# Altium PCB openservo_tessellated.PcbDoc (part 2 of 13)
Units mm, origin at the board's own origin, x right, y up, seen from the top; angles counter-clockwise.
Board outline 225 x 202.5 mm, 2 copper layers (Top Layer, Bottom Layer); 1250 components, 19 nets, 5300 pads, 1100 vias.
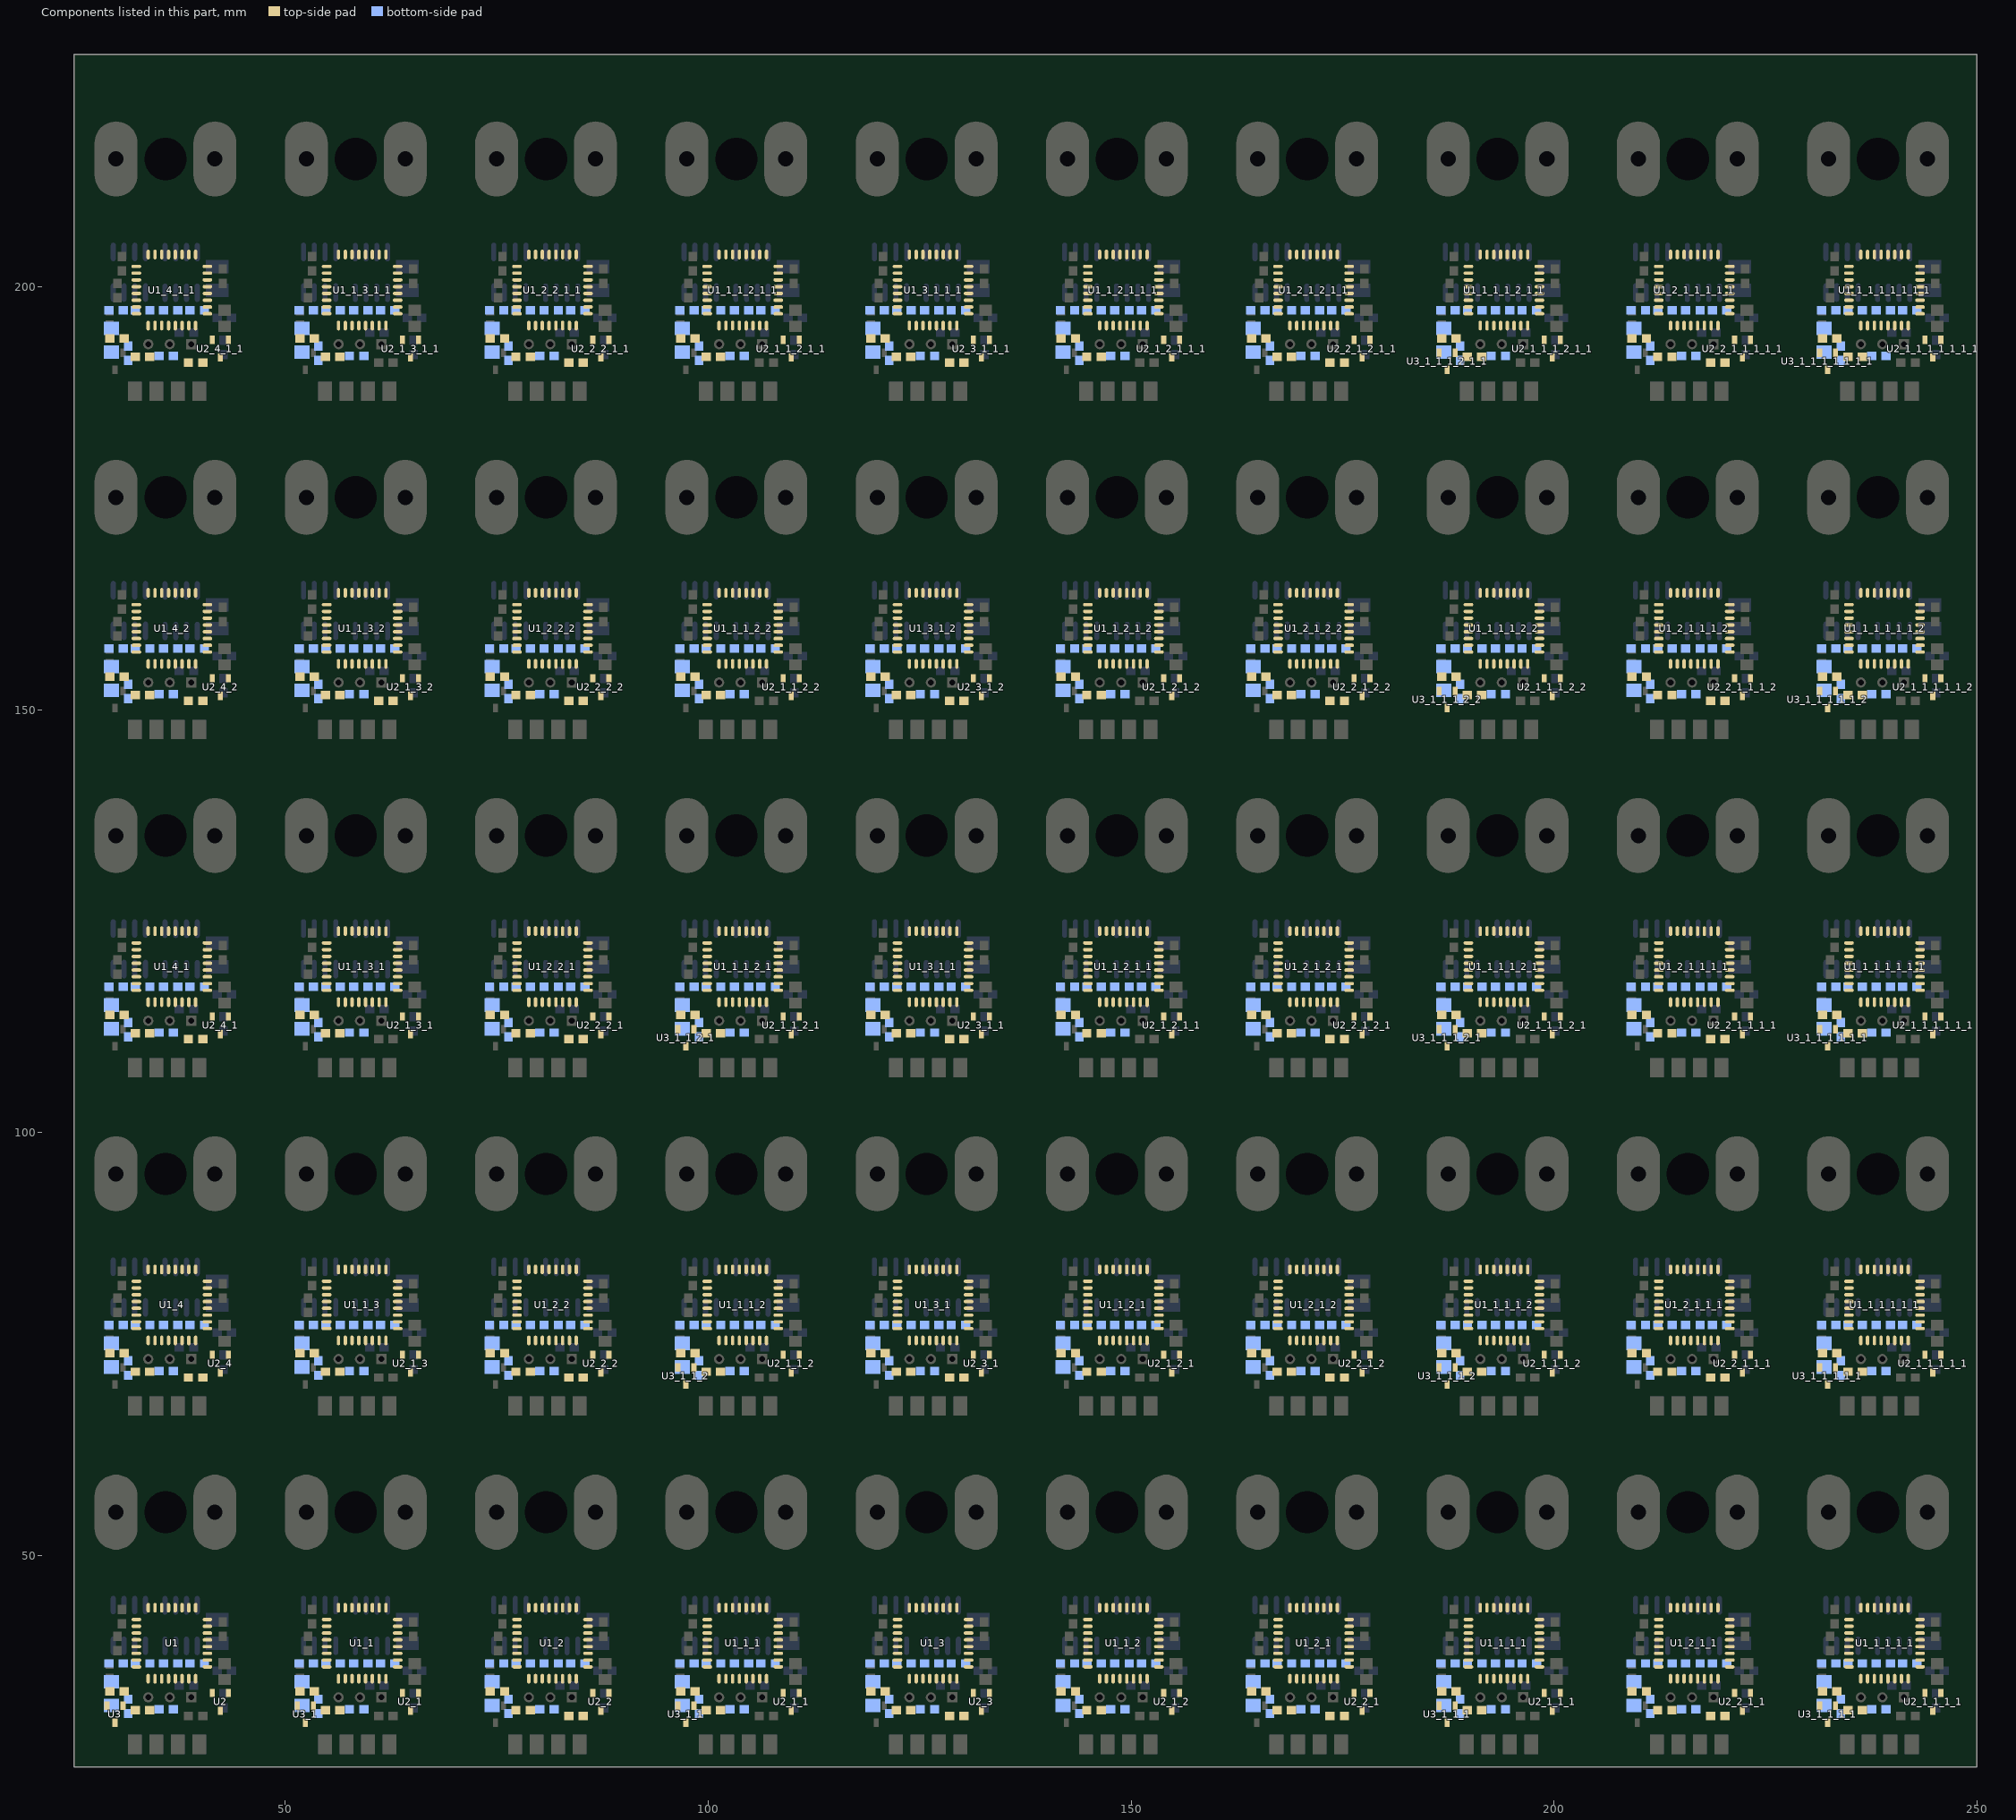
[diagram p2: the components of this part, seen from the top]

## Components (designator, comment, footprint, x,y, rotation, side; value= is the part's Value field where it differs from the comment) (continued)
R2_1_3_2 "Res Semi" 1608[0603] 61.87,151.039 r180 top (schematic designator R2)
R2_2 "Res Semi" 1608[0603] 84.37,31.039 r180 top (schematic designator R2)
R2_2_1 "Res Semi" 1608[0603] 174.37,31.039 r180 top (schematic designator R2)
R2_2_1_1 "Res Semi" 1608[0603] 219.37,31.039 r180 top (schematic designator R2)
R2_2_1_1_1 "Res Semi" 1608[0603] 219.37,71.039 r180 top (schematic designator R2)
R2_2_1_1_1_1 "Res Semi" 1608[0603] 219.37,111.039 r180 top (schematic designator R2)
R2_2_1_1_1_1_1 "Res Semi" 1608[0603] 219.37,191.039 r180 top (schematic designator R2)
R2_2_1_1_1_2 "Res Semi" 1608[0603] 219.37,151.039 r180 top (schematic designator R2)
R2_2_1_2 "Res Semi" 1608[0603] 174.37,71.039 r180 top (schematic designator R2)
R2_2_1_2_1 "Res Semi" 1608[0603] 174.37,111.039 r180 top (schematic designator R2)
R2_2_1_2_1_1 "Res Semi" 1608[0603] 174.37,191.039 r180 top (schematic designator R2)
R2_2_1_2_2 "Res Semi" 1608[0603] 174.37,151.039 r180 top (schematic designator R2)
R2_2_2 "Res Semi" 1608[0603] 84.37,71.039 r180 top (schematic designator R2)
R2_2_2_1 "Res Semi" 1608[0603] 84.37,111.039 r180 top (schematic designator R2)
R2_2_2_1_1 "Res Semi" 1608[0603] 84.37,191.039 r180 top (schematic designator R2)
R2_2_2_2 "Res Semi" 1608[0603] 84.37,151.039 r180 top (schematic designator R2)
R2_3 "Res Semi" 1608[0603] 129.37,31.039 r180 top (schematic designator R2)
R2_3_1 "Res Semi" 1608[0603] 129.37,71.039 r180 top (schematic designator R2)
R2_3_1_1 "Res Semi" 1608[0603] 129.37,111.039 r180 top (schematic designator R2)
R2_3_1_1_1 "Res Semi" 1608[0603] 129.37,191.039 r180 top (schematic designator R2)
R2_3_1_2 "Res Semi" 1608[0603] 129.37,151.039 r180 top (schematic designator R2)
R2_4 "Res Semi" 1608[0603] 39.37,71.039 r180 top (schematic designator R2)
R2_4_1 "Res Semi" 1608[0603] 39.37,111.039 r180 top (schematic designator R2)
R2_4_1_1 "Res Semi" 1608[0603] 39.37,191.039 r180 top (schematic designator R2)
R2_4_2 "Res Semi" 1608[0603] 39.37,151.039 r180 top (schematic designator R2)
R3 "Res Semi" 1608[0603] 31.394,32.156 r270 bottom
R3_1 "Res Semi" 1608[0603] 53.894,32.156 r270 bottom (schematic designator R3)
R3_1_1 "Res Semi" 1608[0603] 98.894,32.156 r270 bottom (schematic designator R3)
R3_1_1_1 "Res Semi" 1608[0603] 188.894,32.156 r270 bottom (schematic designator R3)
R3_1_1_1_1 "Res Semi" 1608[0603] 233.894,32.156 r270 bottom (schematic designator R3)
R3_1_1_1_1_1 "Res Semi" 1608[0603] 233.894,72.156 r270 bottom (schematic designator R3)
R3_1_1_1_1_1_1 "Res Semi" 1608[0603] 233.894,112.156 r270 bottom (schematic designator R3)
R3_1_1_1_1_1_1_1 "Res Semi" 1608[0603] 233.894,192.156 r270 bottom (schematic designator R3)
R3_1_1_1_1_1_2 "Res Semi" 1608[0603] 233.894,152.156 r270 bottom (schematic designator R3)
R3_1_1_1_2 "Res Semi" 1608[0603] 188.894,72.156 r270 bottom (schematic designator R3)
R3_1_1_1_2_1 "Res Semi" 1608[0603] 188.894,112.156 r270 bottom (schematic designator R3)
R3_1_1_1_2_1_1 "Res Semi" 1608[0603] 188.894,192.156 r270 bottom (schematic designator R3)
R3_1_1_1_2_2 "Res Semi" 1608[0603] 188.894,152.156 r270 bottom (schematic designator R3)
R3_1_1_2 "Res Semi" 1608[0603] 98.894,72.156 r270 bottom (schematic designator R3)
R3_1_1_2_1 "Res Semi" 1608[0603] 98.894,112.156 r270 bottom (schematic designator R3)
R3_1_1_2_1_1 "Res Semi" 1608[0603] 98.894,192.156 r270 bottom (schematic designator R3)
R3_1_1_2_2 "Res Semi" 1608[0603] 98.894,152.156 r270 bottom (schematic designator R3)
R3_1_2 "Res Semi" 1608[0603] 143.894,32.156 r270 bottom (schematic designator R3)
R3_1_2_1 "Res Semi" 1608[0603] 143.894,72.156 r270 bottom (schematic designator R3)
R3_1_2_1_1 "Res Semi" 1608[0603] 143.894,112.156 r270 bottom (schematic designator R3)
R3_1_2_1_1_1 "Res Semi" 1608[0603] 143.894,192.156 r270 bottom (schematic designator R3)
R3_1_2_1_2 "Res Semi" 1608[0603] 143.894,152.156 r270 bottom (schematic designator R3)
R3_1_3 "Res Semi" 1608[0603] 53.894,72.156 r270 bottom (schematic designator R3)
R3_1_3_1 "Res Semi" 1608[0603] 53.894,112.156 r270 bottom (schematic designator R3)
R3_1_3_1_1 "Res Semi" 1608[0603] 53.894,192.156 r270 bottom (schematic designator R3)
R3_1_3_2 "Res Semi" 1608[0603] 53.894,152.156 r270 bottom (schematic designator R3)
R3_2 "Res Semi" 1608[0603] 76.394,32.156 r270 bottom (schematic designator R3)
R3_2_1 "Res Semi" 1608[0603] 166.394,32.156 r270 bottom (schematic designator R3)
R3_2_1_1 "Res Semi" 1608[0603] 211.394,32.156 r270 bottom (schematic designator R3)
R3_2_1_1_1 "Res Semi" 1608[0603] 211.394,72.156 r270 bottom (schematic designator R3)
R3_2_1_1_1_1 "Res Semi" 1608[0603] 211.394,112.156 r270 bottom (schematic designator R3)
R3_2_1_1_1_1_1 "Res Semi" 1608[0603] 211.394,192.156 r270 bottom (schematic designator R3)
R3_2_1_1_1_2 "Res Semi" 1608[0603] 211.394,152.156 r270 bottom (schematic designator R3)
R3_2_1_2 "Res Semi" 1608[0603] 166.394,72.156 r270 bottom (schematic designator R3)
R3_2_1_2_1 "Res Semi" 1608[0603] 166.394,112.156 r270 bottom (schematic designator R3)
R3_2_1_2_1_1 "Res Semi" 1608[0603] 166.394,192.156 r270 bottom (schematic designator R3)
R3_2_1_2_2 "Res Semi" 1608[0603] 166.394,152.156 r270 bottom (schematic designator R3)
R3_2_2 "Res Semi" 1608[0603] 76.394,72.156 r270 bottom (schematic designator R3)
R3_2_2_1 "Res Semi" 1608[0603] 76.394,112.156 r270 bottom (schematic designator R3)
R3_2_2_1_1 "Res Semi" 1608[0603] 76.394,192.156 r270 bottom (schematic designator R3)
R3_2_2_2 "Res Semi" 1608[0603] 76.394,152.156 r270 bottom (schematic designator R3)
R3_3 "Res Semi" 1608[0603] 121.394,32.156 r270 bottom (schematic designator R3)
R3_3_1 "Res Semi" 1608[0603] 121.394,72.156 r270 bottom (schematic designator R3)
R3_3_1_1 "Res Semi" 1608[0603] 121.394,112.156 r270 bottom (schematic designator R3)
R3_3_1_1_1 "Res Semi" 1608[0603] 121.394,192.156 r270 bottom (schematic designator R3)
R3_3_1_2 "Res Semi" 1608[0603] 121.394,152.156 r270 bottom (schematic designator R3)
R3_4 "Res Semi" 1608[0603] 31.394,72.156 r270 bottom (schematic designator R3)
R3_4_1 "Res Semi" 1608[0603] 31.394,112.156 r270 bottom (schematic designator R3)
R3_4_1_1 "Res Semi" 1608[0603] 31.394,192.156 r270 bottom (schematic designator R3)
R3_4_2 "Res Semi" 1608[0603] 31.394,152.156 r270 bottom (schematic designator R3)
R4 "Res Semi" 1608[0603] 35.916,31.826 r180 bottom
R4_1 "Res Semi" 1608[0603] 58.416,31.826 r180 bottom (schematic designator R4)
R4_1_1 "Res Semi" 1608[0603] 103.416,31.826 r180 bottom (schematic designator R4)
R4_1_1_1 "Res Semi" 1608[0603] 193.416,31.826 r180 bottom (schematic designator R4)
R4_1_1_1_1 "Res Semi" 1608[0603] 238.416,31.826 r180 bottom (schematic designator R4)
R4_1_1_1_1_1 "Res Semi" 1608[0603] 238.416,71.826 r180 bottom (schematic designator R4)
R4_1_1_1_1_1_1 "Res Semi" 1608[0603] 238.416,111.826 r180 bottom (schematic designator R4)
R4_1_1_1_1_1_1_1 "Res Semi" 1608[0603] 238.416,191.826 r180 bottom (schematic designator R4)
R4_1_1_1_1_1_2 "Res Semi" 1608[0603] 238.416,151.826 r180 bottom (schematic designator R4)
R4_1_1_1_2 "Res Semi" 1608[0603] 193.416,71.826 r180 bottom (schematic designator R4)
R4_1_1_1_2_1 "Res Semi" 1608[0603] 193.416,111.826 r180 bottom (schematic designator R4)
R4_1_1_1_2_1_1 "Res Semi" 1608[0603] 193.416,191.826 r180 bottom (schematic designator R4)
R4_1_1_1_2_2 "Res Semi" 1608[0603] 193.416,151.826 r180 bottom (schematic designator R4)
R4_1_1_2 "Res Semi" 1608[0603] 103.416,71.826 r180 bottom (schematic designator R4)
R4_1_1_2_1 "Res Semi" 1608[0603] 103.416,111.826 r180 bottom (schematic designator R4)
R4_1_1_2_1_1 "Res Semi" 1608[0603] 103.416,191.826 r180 bottom (schematic designator R4)
R4_1_1_2_2 "Res Semi" 1608[0603] 103.416,151.826 r180 bottom (schematic designator R4)
R4_1_2 "Res Semi" 1608[0603] 148.416,31.826 r180 bottom (schematic designator R4)
R4_1_2_1 "Res Semi" 1608[0603] 148.416,71.826 r180 bottom (schematic designator R4)
R4_1_2_1_1 "Res Semi" 1608[0603] 148.416,111.826 r180 bottom (schematic designator R4)
R4_1_2_1_1_1 "Res Semi" 1608[0603] 148.416,191.826 r180 bottom (schematic designator R4)
R4_1_2_1_2 "Res Semi" 1608[0603] 148.416,151.826 r180 bottom (schematic designator R4)
R4_1_3 "Res Semi" 1608[0603] 58.416,71.826 r180 bottom (schematic designator R4)
R4_1_3_1 "Res Semi" 1608[0603] 58.416,111.826 r180 bottom (schematic designator R4)
R4_1_3_1_1 "Res Semi" 1608[0603] 58.416,191.826 r180 bottom (schematic designator R4)
R4_1_3_2 "Res Semi" 1608[0603] 58.416,151.826 r180 bottom (schematic designator R4)
R4_2 "Res Semi" 1608[0603] 80.916,31.826 r180 bottom (schematic designator R4)
R4_2_1 "Res Semi" 1608[0603] 170.916,31.826 r180 bottom (schematic designator R4)
R4_2_1_1 "Res Semi" 1608[0603] 215.916,31.826 r180 bottom (schematic designator R4)
R4_2_1_1_1 "Res Semi" 1608[0603] 215.916,71.826 r180 bottom (schematic designator R4)
R4_2_1_1_1_1 "Res Semi" 1608[0603] 215.916,111.826 r180 bottom (schematic designator R4)
R4_2_1_1_1_1_1 "Res Semi" 1608[0603] 215.916,191.826 r180 bottom (schematic designator R4)
R4_2_1_1_1_2 "Res Semi" 1608[0603] 215.916,151.826 r180 bottom (schematic designator R4)
R4_2_1_2 "Res Semi" 1608[0603] 170.916,71.826 r180 bottom (schematic designator R4)
R4_2_1_2_1 "Res Semi" 1608[0603] 170.916,111.826 r180 bottom (schematic designator R4)
R4_2_1_2_1_1 "Res Semi" 1608[0603] 170.916,191.826 r180 bottom (schematic designator R4)
R4_2_1_2_2 "Res Semi" 1608[0603] 170.916,151.826 r180 bottom (schematic designator R4)
R4_2_2 "Res Semi" 1608[0603] 80.916,71.826 r180 bottom (schematic designator R4)
R4_2_2_1 "Res Semi" 1608[0603] 80.916,111.826 r180 bottom (schematic designator R4)
R4_2_2_1_1 "Res Semi" 1608[0603] 80.916,191.826 r180 bottom (schematic designator R4)
R4_2_2_2 "Res Semi" 1608[0603] 80.916,151.826 r180 bottom (schematic designator R4)
R4_3 "Res Semi" 1608[0603] 125.916,31.826 r180 bottom (schematic designator R4)
R4_3_1 "Res Semi" 1608[0603] 125.916,71.826 r180 bottom (schematic designator R4)
R4_3_1_1 "Res Semi" 1608[0603] 125.916,111.826 r180 bottom (schematic designator R4)
R4_3_1_1_1 "Res Semi" 1608[0603] 125.916,191.826 r180 bottom (schematic designator R4)
R4_3_1_2 "Res Semi" 1608[0603] 125.916,151.826 r180 bottom (schematic designator R4)
R4_4 "Res Semi" 1608[0603] 35.916,71.826 r180 bottom (schematic designator R4)
R4_4_1 "Res Semi" 1608[0603] 35.916,111.826 r180 bottom (schematic designator R4)
R4_4_1_1 "Res Semi" 1608[0603] 35.916,191.826 r180 bottom (schematic designator R4)
R4_4_2 "Res Semi" 1608[0603] 35.916,151.826 r180 bottom (schematic designator R4)
R5 "Res Semi" 1608[0603] 39.573,37.236 r180 bottom
R5_1 "Res Semi" 1608[0603] 62.073,37.236 r180 bottom (schematic designator R5)
R5_1_1 "Res Semi" 1608[0603] 107.073,37.236 r180 bottom (schematic designator R5)
R5_1_1_1 "Res Semi" 1608[0603] 197.073,37.236 r180 bottom (schematic designator R5)
R5_1_1_1_1 "Res Semi" 1608[0603] 242.073,37.236 r180 bottom (schematic designator R5)
R5_1_1_1_1_1 "Res Semi" 1608[0603] 242.073,77.236 r180 bottom (schematic designator R5)
R5_1_1_1_1_1_1 "Res Semi" 1608[0603] 242.073,117.236 r180 bottom (schematic designator R5)
R5_1_1_1_1_1_1_1 "Res Semi" 1608[0603] 242.073,197.236 r180 bottom (schematic designator R5)
R5_1_1_1_1_1_2 "Res Semi" 1608[0603] 242.073,157.236 r180 bottom (schematic designator R5)
R5_1_1_1_2 "Res Semi" 1608[0603] 197.073,77.236 r180 bottom (schematic designator R5)
R5_1_1_1_2_1 "Res Semi" 1608[0603] 197.073,117.236 r180 bottom (schematic designator R5)
R5_1_1_1_2_1_1 "Res Semi" 1608[0603] 197.073,197.236 r180 bottom (schematic designator R5)
R5_1_1_1_2_2 "Res Semi" 1608[0603] 197.073,157.236 r180 bottom (schematic designator R5)
R5_1_1_2 "Res Semi" 1608[0603] 107.073,77.236 r180 bottom (schematic designator R5)
R5_1_1_2_1 "Res Semi" 1608[0603] 107.073,117.236 r180 bottom (schematic designator R5)
R5_1_1_2_1_1 "Res Semi" 1608[0603] 107.073,197.236 r180 bottom (schematic designator R5)
R5_1_1_2_2 "Res Semi" 1608[0603] 107.073,157.236 r180 bottom (schematic designator R5)
R5_1_2 "Res Semi" 1608[0603] 152.073,37.236 r180 bottom (schematic designator R5)
R5_1_2_1 "Res Semi" 1608[0603] 152.073,77.236 r180 bottom (schematic designator R5)
R5_1_2_1_1 "Res Semi" 1608[0603] 152.073,117.236 r180 bottom (schematic designator R5)
R5_1_2_1_1_1 "Res Semi" 1608[0603] 152.073,197.236 r180 bottom (schematic designator R5)
R5_1_2_1_2 "Res Semi" 1608[0603] 152.073,157.236 r180 bottom (schematic designator R5)
R5_1_3 "Res Semi" 1608[0603] 62.073,77.236 r180 bottom (schematic designator R5)
R5_1_3_1 "Res Semi" 1608[0603] 62.073,117.236 r180 bottom (schematic designator R5)
R5_1_3_1_1 "Res Semi" 1608[0603] 62.073,197.236 r180 bottom (schematic designator R5)
R5_1_3_2 "Res Semi" 1608[0603] 62.073,157.236 r180 bottom (schematic designator R5)
R5_2 "Res Semi" 1608[0603] 84.573,37.236 r180 bottom (schematic designator R5)
R5_2_1 "Res Semi" 1608[0603] 174.573,37.236 r180 bottom (schematic designator R5)
R5_2_1_1 "Res Semi" 1608[0603] 219.573,37.236 r180 bottom (schematic designator R5)
R5_2_1_1_1 "Res Semi" 1608[0603] 219.573,77.236 r180 bottom (schematic designator R5)
R5_2_1_1_1_1 "Res Semi" 1608[0603] 219.573,117.236 r180 bottom (schematic designator R5)
R5_2_1_1_1_1_1 "Res Semi" 1608[0603] 219.573,197.236 r180 bottom (schematic designator R5)
R5_2_1_1_1_2 "Res Semi" 1608[0603] 219.573,157.236 r180 bottom (schematic designator R5)
R5_2_1_2 "Res Semi" 1608[0603] 174.573,77.236 r180 bottom (schematic designator R5)
R5_2_1_2_1 "Res Semi" 1608[0603] 174.573,117.236 r180 bottom (schematic designator R5)
R5_2_1_2_1_1 "Res Semi" 1608[0603] 174.573,197.236 r180 bottom (schematic designator R5)
R5_2_1_2_2 "Res Semi" 1608[0603] 174.573,157.236 r180 bottom (schematic designator R5)
R5_2_2 "Res Semi" 1608[0603] 84.573,77.236 r180 bottom (schematic designator R5)
R5_2_2_1 "Res Semi" 1608[0603] 84.573,117.236 r180 bottom (schematic designator R5)
R5_2_2_1_1 "Res Semi" 1608[0603] 84.573,197.236 r180 bottom (schematic designator R5)
R5_2_2_2 "Res Semi" 1608[0603] 84.573,157.236 r180 bottom (schematic designator R5)
R5_3 "Res Semi" 1608[0603] 129.573,37.236 r180 bottom (schematic designator R5)
R5_3_1 "Res Semi" 1608[0603] 129.573,77.236 r180 bottom (schematic designator R5)
R5_3_1_1 "Res Semi" 1608[0603] 129.573,117.236 r180 bottom (schematic designator R5)
R5_3_1_1_1 "Res Semi" 1608[0603] 129.573,197.236 r180 bottom (schematic designator R5)
R5_3_1_2 "Res Semi" 1608[0603] 129.573,157.236 r180 bottom (schematic designator R5)
R5_4 "Res Semi" 1608[0603] 39.573,77.236 r180 bottom (schematic designator R5)
R5_4_1 "Res Semi" 1608[0603] 39.573,117.236 r180 bottom (schematic designator R5)
R5_4_1_1 "Res Semi" 1608[0603] 39.573,197.236 r180 bottom (schematic designator R5)
R5_4_2 "Res Semi" 1608[0603] 39.573,157.236 r180 bottom (schematic designator R5)
R6 "Res Semi" 1608[0603] 33.122,37.236 r180 bottom
R6_1 "Res Semi" 1608[0603] 55.622,37.236 r180 bottom (schematic designator R6)
R6_1_1 "Res Semi" 1608[0603] 100.622,37.236 r180 bottom (schematic designator R6)
R6_1_1_1 "Res Semi" 1608[0603] 190.622,37.236 r180 bottom (schematic designator R6)
R6_1_1_1_1 "Res Semi" 1608[0603] 235.622,37.236 r180 bottom (schematic designator R6)
R6_1_1_1_1_1 "Res Semi" 1608[0603] 235.622,77.236 r180 bottom (schematic designator R6)
R6_1_1_1_1_1_1 "Res Semi" 1608[0603] 235.622,117.236 r180 bottom (schematic designator R6)
R6_1_1_1_1_1_1_1 "Res Semi" 1608[0603] 235.622,197.236 r180 bottom (schematic designator R6)
R6_1_1_1_1_1_2 "Res Semi" 1608[0603] 235.622,157.236 r180 bottom (schematic designator R6)
R6_1_1_1_2 "Res Semi" 1608[0603] 190.622,77.236 r180 bottom (schematic designator R6)
R6_1_1_1_2_1 "Res Semi" 1608[0603] 190.622,117.236 r180 bottom (schematic designator R6)
R6_1_1_1_2_1_1 "Res Semi" 1608[0603] 190.622,197.236 r180 bottom (schematic designator R6)
R6_1_1_1_2_2 "Res Semi" 1608[0603] 190.622,157.236 r180 bottom (schematic designator R6)
R6_1_1_2 "Res Semi" 1608[0603] 100.622,77.236 r180 bottom (schematic designator R6)
R6_1_1_2_1 "Res Semi" 1608[0603] 100.622,117.236 r180 bottom (schematic designator R6)
R6_1_1_2_1_1 "Res Semi" 1608[0603] 100.622,197.236 r180 bottom (schematic designator R6)
R6_1_1_2_2 "Res Semi" 1608[0603] 100.622,157.236 r180 bottom (schematic designator R6)
R6_1_2 "Res Semi" 1608[0603] 145.622,37.236 r180 bottom (schematic designator R6)
R6_1_2_1 "Res Semi" 1608[0603] 145.622,77.236 r180 bottom (schematic designator R6)
R6_1_2_1_1 "Res Semi" 1608[0603] 145.622,117.236 r180 bottom (schematic designator R6)
R6_1_2_1_1_1 "Res Semi" 1608[0603] 145.622,197.236 r180 bottom (schematic designator R6)
R6_1_2_1_2 "Res Semi" 1608[0603] 145.622,157.236 r180 bottom (schematic designator R6)
R6_1_3 "Res Semi" 1608[0603] 55.622,77.236 r180 bottom (schematic designator R6)
R6_1_3_1 "Res Semi" 1608[0603] 55.622,117.236 r180 bottom (schematic designator R6)
R6_1_3_1_1 "Res Semi" 1608[0603] 55.622,197.236 r180 bottom (schematic designator R6)
R6_1_3_2 "Res Semi" 1608[0603] 55.622,157.236 r180 bottom (schematic designator R6)
R6_2 "Res Semi" 1608[0603] 78.122,37.236 r180 bottom (schematic designator R6)
R6_2_1 "Res Semi" 1608[0603] 168.122,37.236 r180 bottom (schematic designator R6)
R6_2_1_1 "Res Semi" 1608[0603] 213.122,37.236 r180 bottom (schematic designator R6)
R6_2_1_1_1 "Res Semi" 1608[0603] 213.122,77.236 r180 bottom (schematic designator R6)
R6_2_1_1_1_1 "Res Semi" 1608[0603] 213.122,117.236 r180 bottom (schematic designator R6)
R6_2_1_1_1_1_1 "Res Semi" 1608[0603] 213.122,197.236 r180 bottom (schematic designator R6)
R6_2_1_1_1_2 "Res Semi" 1608[0603] 213.122,157.236 r180 bottom (schematic designator R6)
R6_2_1_2 "Res Semi" 1608[0603] 168.122,77.236 r180 bottom (schematic designator R6)
R6_2_1_2_1 "Res Semi" 1608[0603] 168.122,117.236 r180 bottom (schematic designator R6)
R6_2_1_2_1_1 "Res Semi" 1608[0603] 168.122,197.236 r180 bottom (schematic designator R6)
R6_2_1_2_2 "Res Semi" 1608[0603] 168.122,157.236 r180 bottom (schematic designator R6)
R6_2_2 "Res Semi" 1608[0603] 78.122,77.236 r180 bottom (schematic designator R6)
R6_2_2_1 "Res Semi" 1608[0603] 78.122,117.236 r180 bottom (schematic designator R6)
R6_2_2_1_1 "Res Semi" 1608[0603] 78.122,197.236 r180 bottom (schematic designator R6)
R6_2_2_2 "Res Semi" 1608[0603] 78.122,157.236 r180 bottom (schematic designator R6)
R6_3 "Res Semi" 1608[0603] 123.122,37.236 r180 bottom (schematic designator R6)
R6_3_1 "Res Semi" 1608[0603] 123.122,77.236 r180 bottom (schematic designator R6)
R6_3_1_1 "Res Semi" 1608[0603] 123.122,117.236 r180 bottom (schematic designator R6)
R6_3_1_1_1 "Res Semi" 1608[0603] 123.122,197.236 r180 bottom (schematic designator R6)
R6_3_1_2 "Res Semi" 1608[0603] 123.122,157.236 r180 bottom (schematic designator R6)
R6_4 "Res Semi" 1608[0603] 33.122,77.236 r180 bottom (schematic designator R6)
R6_4_1 "Res Semi" 1608[0603] 33.122,117.236 r180 bottom (schematic designator R6)
R6_4_1_1 "Res Semi" 1608[0603] 33.122,197.236 r180 bottom (schematic designator R6)
R6_4_2 "Res Semi" 1608[0603] 33.122,157.236 r180 bottom (schematic designator R6)
R7 "Res Semi" 1608[0603] 36.424,37.236 r0 bottom
R7_1 "Res Semi" 1608[0603] 58.924,37.236 r0 bottom (schematic designator R7)
R7_1_1 "Res Semi" 1608[0603] 103.924,37.236 r0 bottom (schematic designator R7)
R7_1_1_1 "Res Semi" 1608[0603] 193.924,37.236 r0 bottom (schematic designator R7)
R7_1_1_1_1 "Res Semi" 1608[0603] 238.924,37.236 r0 bottom (schematic designator R7)
R7_1_1_1_1_1 "Res Semi" 1608[0603] 238.924,77.236 r0 bottom (schematic designator R7)
R7_1_1_1_1_1_1 "Res Semi" 1608[0603] 238.924,117.236 r0 bottom (schematic designator R7)
R7_1_1_1_1_1_1_1 "Res Semi" 1608[0603] 238.924,197.236 r0 bottom (schematic designator R7)
R7_1_1_1_1_1_2 "Res Semi" 1608[0603] 238.924,157.236 r0 bottom (schematic designator R7)
R7_1_1_1_2 "Res Semi" 1608[0603] 193.924,77.236 r0 bottom (schematic designator R7)
R7_1_1_1_2_1 "Res Semi" 1608[0603] 193.924,117.236 r0 bottom (schematic designator R7)
R7_1_1_1_2_1_1 "Res Semi" 1608[0603] 193.924,197.236 r0 bottom (schematic designator R7)
R7_1_1_1_2_2 "Res Semi" 1608[0603] 193.924,157.236 r0 bottom (schematic designator R7)
R7_1_1_2 "Res Semi" 1608[0603] 103.924,77.236 r0 bottom (schematic designator R7)
R7_1_1_2_1 "Res Semi" 1608[0603] 103.924,117.236 r0 bottom (schematic designator R7)
R7_1_1_2_1_1 "Res Semi" 1608[0603] 103.924,197.236 r0 bottom (schematic designator R7)